# Altium PCB RoBeast_Control_Board_PCB.PcbDoc (part 1 of 3) (continued)
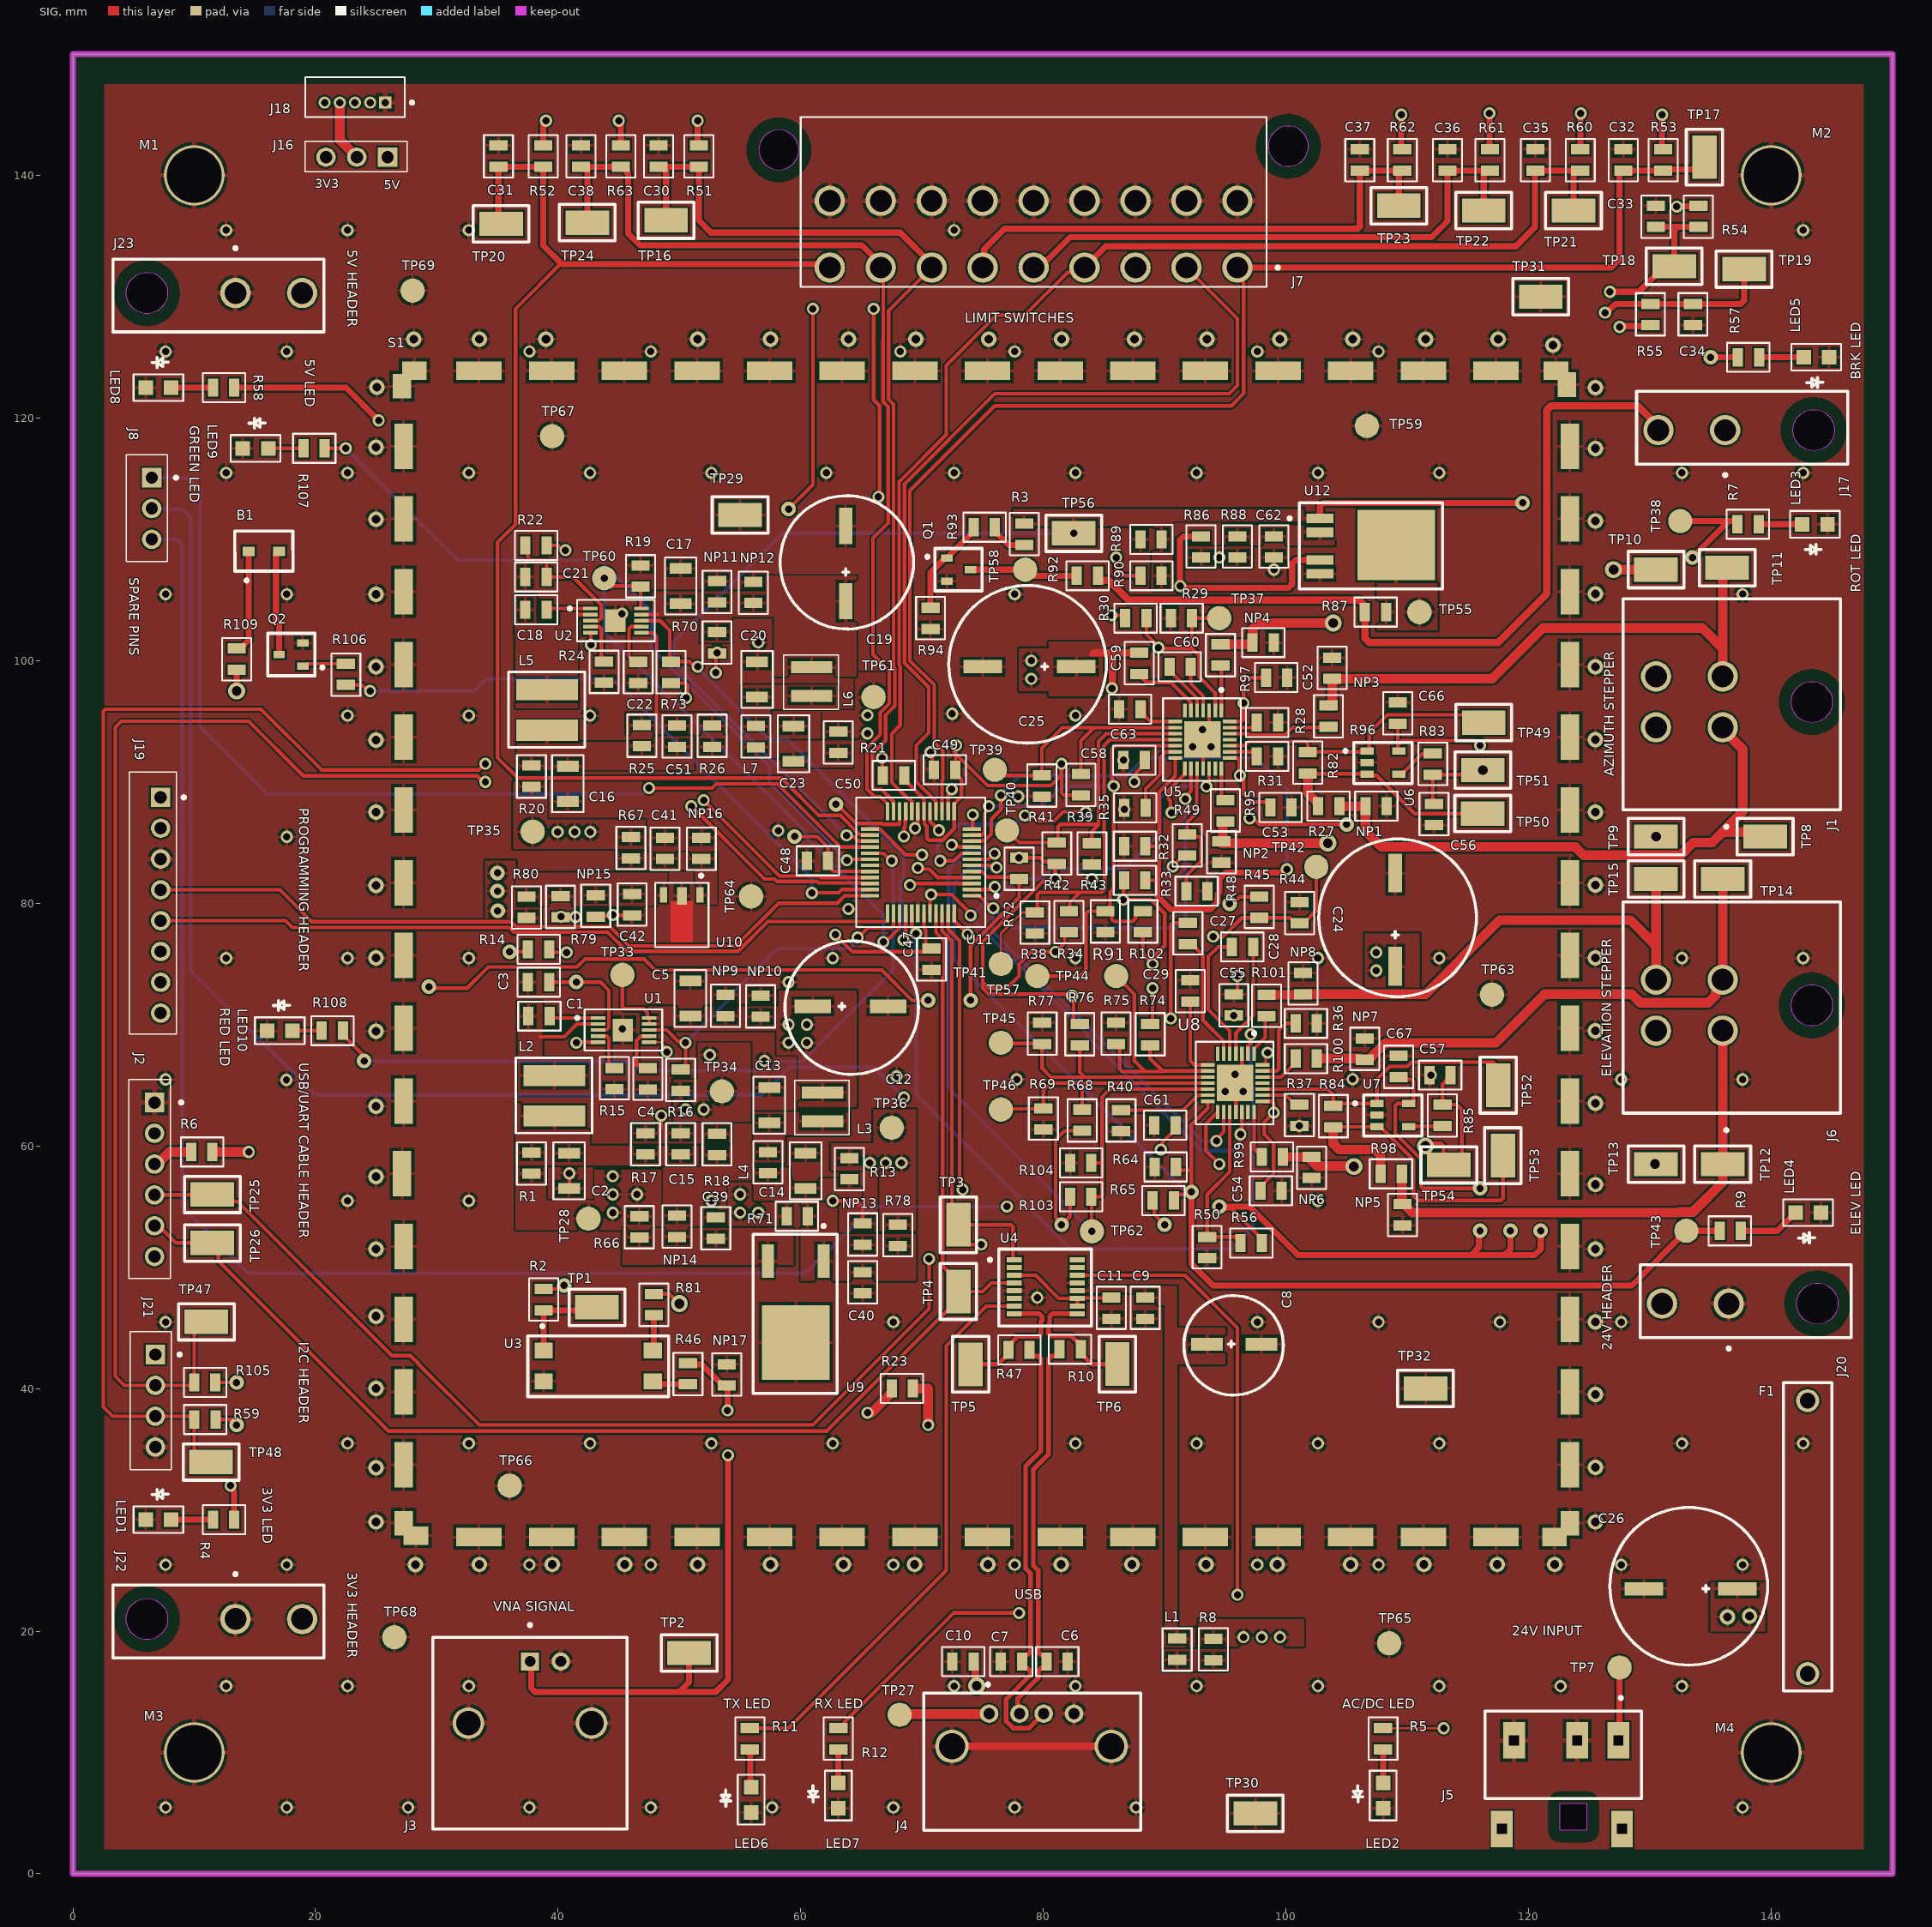
[diagram p0: SIG view]
## Footprints (in the part's own frame and the unit in brackets; to place one, negate y for a bottom-side part, rotate by r counter-clockwise, add the part's x,y. Pads: shape width x height; smd on the part's side, far side on the other; paste and mask are expansions set on the pad) (continued)
  rect 0.3x1.15 smd mask+0.03: 8(0.91,-3.804) 14(3.91,-3.804) 22(3.91,0.696) 28(0.91,0.696)
  rect 0.3x1.15 smd mask+0.04: 9(1.41,-3.804) 10(1.91,-3.804) 11(2.41,-3.804) 12(2.91,-3.804) 13(3.41,-3.804) 23(3.41,0.696) 24(2.91,0.696) 25(2.41,0.696) 26(1.91,0.696) 27(1.41,0.696)
  rect 3x3 smd mask+0.03: 29(2.393,-1.557)
  silkscreen extent -1.83,-4.8 5.8,1.6, body extent -0.17,-4.11 4.98,1.05, height 0.92
AS78L05RTR-E1 [mm]
  rect 0.6x1.3 smd: 1(0,0) 3(3,0)
  rect 0.8x1.475 smd: 2(1.5,0.088)
  SIG region: 0.6,0.5 0.6,3.9 2.4,3.9 2.4,0.5
  silkscreen extent -0.7,-1.71 3.7,4.3, body extent -0.81,-0.52 3.78,3.84, height 1.65
BC846BLT1G [mm]
  rect 0.6x0.95 smd: 1(0,0) 2(1.9,0) 3(0.95,1.95)
  silkscreen extent -0.8,-1.74 2.7,2.9, body extent -0.59,-0.38 2.46,2.26, height 1.12
BTS3011TEATMA1 [mm]
  rect 0.8x2.2 smd mask+0.051: 1(0,0) 2(1.14,0) 4(3.42,0) 5(4.56,0)
  rect 5.8x6.4 smd mask+0.051: 6(2.2,6.28)
  silkscreen extent -1.3,-2.63 5.8,10.1, body extent -1,-0.89 5.5,9.09, height 2.35
CMP-00028-00007-1 [mil]
  rect 60x80 smd: 1(0,40) 18(-5,3730) 36(3775,3735) 52(3785,40)
  rect 80x60 smd: 2(40,0) 19(35,3780) 35(3740,3780) 53(3735,-5)
  rect 60x147.5 smd: 3(0,230) 4(0,466.07) 5(0,702.14) 6(0.07,938.21) 7(-4.93,1174.29) 8(0,1410.36) 9(0,1646.43) 10(0,1882.5) 11(0,2118.57) 12(0,2354.64) 13(0,2590.71) 14(0,2826.79) 15(0,3062.86) 16(0,3298.93) 17(0,3535) 37(3785,3535) 38(3785,3298.93) 39(3785,3062.86) 40(3785,2826.79) 41(3785,2590.71) 42(3785,2354.64) 43(3785,2118.57) 44(3785,1882.5) 45(3785,1646.43) 46(3785,1410.36) 47(3785,1174.29) 48(3785,938.21) 49(3785,702.14) 50(3785,466.07) 51(3785,230)
  rect 147.5x60 smd: 20(245,3780) 21(480.71,3780) 22(716.43,3780) 23(952.14,3780) 24(1187.86,3780) 25(1423.57,3780) 26(1659.29,3780) 27(1895,3780) 28(2130.71,3780) 29(2366.43,3780) 30(2602.14,3780) 31(2837.86,3780) 32(3073.57,3780) 33(3309.28,3780) 34(3545,3780) 54(3545,-5) 55(3309.28,-5) 56(3073.57,-5) 57(2837.86,-5) 58(2602.14,-5) 59(2366.43,-5) 60(2130.71,-5) 61(1895,-5) 62(1659.29,-5) 63(1423.57,-5) 64(1187.86,-5) 65(952.14,-5) 66(716.43,-5) 67(480.71,-5) 68(245,-5)
  body extent -29,-39 3809,3799, height 815
DSPIC33CK64MP505T-I/PT [mm]
  rect 1.5x0.3 smd mask+0.049: 1(0,0) 2(0,-0.5) 3(0,-1) 4(0,-1.5) 5(0,-2) 6(0,-2.5) 7(0,-3) 8(0,-3.5) 9(0,-4) 10(0,-4.5) 11(0,-5) 12(0,-5.5) 25(8.4,-5.5) 26(8.4,-5) 27(8.4,-4.5) 28(8.4,-4) 29(8.4,-3.5) 30(8.4,-3) 31(8.4,-2.5) 32(8.4,-2) 33(8.4,-1.5) 34(8.4,-1) 35(8.4,-0.5) 36(8.4,0)
  rect 0.3x1.5 smd mask+0.049: 13(1.45,-6.95) 14(1.95,-6.95) 15(2.45,-6.95) 16(2.95,-6.95) 17(3.45,-6.95) 18(3.95,-6.95) 19(4.45,-6.95) 20(4.95,-6.95) 21(5.45,-6.95) 22(5.95,-6.95) 23(6.45,-6.95) 24(6.95,-6.95) 37(6.95,1.45) 38(6.45,1.45) 39(5.95,1.45) 40(5.45,1.45) 41(4.95,1.45) 42(4.45,1.45) 43(3.95,1.45) 44(3.45,1.45) 45(2.95,1.45) 46(2.45,1.45) 47(1.95,1.45) 48(1.45,1.45)
  silkscreen extent -2.16,-8.1 9.54,2.59, body extent -0.3,-7.2 8.7,1.79, height 1.2
EDK475M050A9DAA [mm]
  rect 2.6x1.05 smd: 1(0,0) 2(4.5,0)
  silkscreen extent -1.9,-4.2 6.3,4, body extent -0.97,-2.67 5.53,2.84, height 5.69
FT230XS-R [mm]
  rect 0.42x1.25 smd mask+0.051: 1(0,0) 2(0.635,0) 3(1.27,0) 4(1.905,0) 5(2.54,0) 6(3.175,0) 7(3.81,0) 8(4.445,0) 9(4.445,5.2) 10(3.81,5.2) 11(3.175,5.2) 12(2.54,5.2) 13(1.905,5.2) 14(1.27,5.2) 15(0.635,5.2) 16(0,5.2)
  silkscreen extent -0.89,-2.13 5.47,6.35, body extent -0.25,-0.55 4.75,5.65, height 1.76
INA180B3QDBVRQ1 [mm]
  rect 1.1x0.6 smd mask+0.102: 1(0,0) 2(0,-0.95) 3(0,-1.9) 4(2.6,-1.9) 5(2.6,0)
  silkscreen extent -1.93,-2.7 3.7,0.7, body extent -0.07,-2.4 2.73,0.5, height 1.2
LT8606HMSE#PBF [mm]
  rect 0.305x1.2 smd mask+0.045: 1(0,0) 2(0.5,0) 3(1,0) 4(1.5,0) 5(2,0) 6(2,4.211) 7(1.5,4.211) 8(1,4.211) 9(0.5,4.211) 10(0,4.211)
  rect 1.88x1.68 smd mask+0.049: 11(0.998,2.044)
  silkscreen extent -0.7,-1.83 2.7,5.3, body extent -0.5,-0.43 2.5,4.63, height 1.7
LTV-817S-TA [mm]
  rect 1.3x1.5 smd: 1(0,0) 2(2.54,0) 3(2.54,9) 4(0,9)
  silkscreen extent -2.13,-1.3 3.8,10.3, body extent -1.02,-0.33 3.56,9.42, height 4
M4 [mm]
  round 5 hole 4.5: 1(0,0)
  body extent -3.6,-3.4 3.38,3.6, height 4
MSS5121-273MLB [mm]
  rect 5.08x1.74 smd: 1(0,0) 2(0,-3.34)
  silkscreen extent -3.1,-4.8 3.2,1.4, body extent -2.5,-4.2 2.5,0.8, height 2.2
PH1-03-UA [mm]
  rect 1.6x1.6 hole 1.02: 1(0,0)
  round 1.6 hole 1.02: 2(2.54,0) 3(5.08,0)
  silkscreen extent -1.6,-1.3 6.8,1.2, body extent -1.21,-1.3 6.41,1.2, height 8.25
PH1RB-03-UA [mm]
  rect 1.6x1.6 hole 1.02: 1(0,0)
  round 1.6 hole 1.02: 2(2.54,0) 3(5.08,0)
  silkscreen extent -1.9,-2.1 6.9,2.13, body extent -1.15,-9.85 6.48,0.37, height 2.25
PH1RB-04-UA [mm]
  rect 1.6x1.6 hole 1.02: 1(0,0)
  round 1.6 hole 1.02: 2(2.54,0) 3(5.08,0) 4(7.62,0)
  silkscreen extent -1.9,-2.1 9.5,2.13, body extent -1.29,-9.75 8.88,0.47, height 1.25
PH1RB-06-UA [mm]
  rect 1.6x1.6 hole 1.02: 1(0,0)
  round 1.6 hole 1.02: 2(2.54,0) 3(5.08,0) 4(7.62,0) 5(10.16,0) 6(12.7,0)
  silkscreen extent -1.9,-2.1 14.5,2.33, body extent -1.3,-9.96 13.94,0.3, height 1.52
PH1RB-08-UA [mm]
  rect 1.6x1.6 hole 1.02: 1(0,0)
  round 1.6 hole 1.02: 2(2.54,0) 3(5.08,0) 4(7.62,0) 5(10.16,0) 6(12.7,0) 7(15.24,0) 8(17.78,0)
  silkscreen extent -2.08,-2.6 19.5,2.03, body extent -1.32,-9.79 19.01,0.43, height 4.25
RCWCTE [mm]
  rect 3.6x2 smd: 1(0,0)
  silkscreen extent -2.3,-1.5 2.3,1.5, body extent -1.61,-0.78 1.59,0.82, height 2.01
TE034003-1 [mm]
  rect 0.8x1 smd: 1(0,0) 2(0,-2.5)
  silkscreen extent -2.51,-3.66 1.68,1.17, body extent -6.4,-8.09 6.4,6.56, height 9.62
"TEST POINT" [mm]
  round 2 smd mask+0.01: 1(0,0)
"Test Point" [mm]
  round 2 smd mask+0.01: 1(0,0)
UA78M33CKVURG3 [mm]
  rect 2.75x1 smd: 1(0,0) 3(0,-4.58)
  rect 6.15x5.55 smd: 2(6.7,-2.29)
  silkscreen extent -3.03,-5.8 10.9,1.11, body extent -1.08,-5.56 9.03,0.96, height 2.41
UCD1H101MNL1GS [mm]
  rect 3.2x1.1 smd: 1(0,0) 2(7.7,0)
  silkscreen extent -2.5,-6.7 10.5,6.3, body extent -0.75,-4.25 8.55,4.25, height 10.34
UE27AC54100 [mm]
  round 1.524 hole 0.92: 1(0,0) 2(2.5,0) 3(4.5,0) 4(7,0)
  round 2.75 hole 2.15: 5(-3.07,-2.7) 6(10.07,-2.7)
  silkscreen extent -5.4,-9.6 12.5,2.53, body extent -4.5,-13.15 11.3,0.95, height 7.56
WM14505-ND [mm]
  round 2.5 hole 1.8: 1(0,7.3) 2(0,12.8)
  Keep-Out Layer board cut-out: 0,-1.7 -0.651,-1.571 -1.202,-1.202 -1.571,-0.651 -1.7,0 -1.7,0 -1.571,0.651 -1.202,1.202 -0.651,1.571 0,1.7 0,1.7 0.651,1.571 1.202,1.202 1.571,0.651 1.7,0 1.7,0 1.571,-0.651 1.202,-1.202 0.651,-1.571 0,-1.7
  silkscreen extent -3.83,-2.8 3.2,14.6, body extent -2.7,-6.6 3.1,13.34, height 11.4
XAL4030-472MEC [mm]
  rect 0.98x3.4 smd: 1(0,0) 2(2.37,0)
  silkscreen extent -1,-2.3 3.5,2.2, body extent -0.81,-2.01 3.21,2.01, height 0.81

## Part data
B1: library part TE034003-1, "Electro-mechanical Transducer", Manufacturer="DB Unlimited", Supplier Part Number 1=2104-TE034003-1CT-ND, Category="Audio Products", Manufacturer Part Number=TE034003-1, Pricing 1="1=2.3, 10=1.911, 25=1.7652, 50=1.659, 100=1.5568, 250=1.44984, 500=1.33496, 1000=1.29987 (USD)", RoHS=No, Stock 1=5468, Supplier 1=Digikey
C1 C9 C11 C18 C27 C28 C39 C41 C47 C48 C49 C50 C59 C60 C62 C66 C67: library part C0805C104J5RAC7800, "Ceramic Capacitor, Multilayer, Ceramic, 50V, 5% +Tol, 5% -Tol, X7R, 15% TC, 0.1uF, Surface Mount, 0805", Capacitor Type=Ceramic, Manufacturer=KEMET, Manufacturer Part Number=C0805C104J5RACTU, Max Operating Temperature=125°C, Min Operating Temperature=-55°C, Negative Tolerance=5%, Package Shape=Rectangular, Rated DC Voltage (URdc)=50V, Supplier Part Number 1=399-C0805C104J5RAC7800CT-ND, Temperature Characteristics Code=X7R, Capacitance=100nF, Category="Ceramic Capacitors", ComponentLink1Description=http://capacitoredge.kemet.com:80/capedge2/intellispec.jsp?pn=C0805C104J5RACTU&displayPN=C0805C104J5RACTU&src-supplier=IHS+Markit, ComponentLink1URL=http://capacitoredge.kemet.com:80/capedge2/intellispec.jsp?pn=C0805C104J5RACTU&displayPN=C0805C104J5RACTU&src-supplier=IHS+Markit, ComponentLink2Description=https://datasheet.ciiva.com/7842/1732721-7842179.pdf?src-supplier=Element14, ComponentLink2URL=https://datasheet.ciiva.com/7842/1732721-7842179.pdf?src-supplier=Element14, ComponentLink3Description=https://datasheet.ciiva.com/28682/1851736-28682223.pdf?src-supplier=Element14, ComponentLink3URL=https://datasheet.ciiva.com/28682/1851736-28682223.pdf?src-supplier=Element14, ComponentLink4Description=https://datasheet.ciiva.com/7258/1828800-7258413.pdf?src-supplier=Newark, ComponentLink4URL=https://datasheet.ciiva.com/7258/1828800-7258413.pdf?src-supplier=Newark, ComponentLink5Description=https://datasheet.ciiva.com/14589/70095383-14589015.pdf?src-supplier=Allied+Electronics, ComponentLink5URL=https://datasheet.ciiva.com/14589/70095383-14589015.pdf?src-supplier=Allied+Electronics, ComponentLink6Description=https://datasheet.ciiva.com/5417/kem-c1002-x7r-smd-5417352.pdf?src-supplier=Mouser, ComponentLink6URL=https://datasheet.ciiva.com/5417/kem-c1002-x7r-smd-5417352.pdf?src-supplier=Mouser, ComponentLink7Description=https://datasheet.ciiva.com/39122/docfinderpartnumberc0402c102k5ractu-39122924.pdf?src-supplier=Onlinecomponents.com, ComponentLink7URL=https://datasheet.ciiva.com/39122/docfinderpartnumberc0402c102k5ractu-39122924.pdf?src-supplier=Onlinecomponents.com, Dielectric Material=Ceramic, JESD-609 Code=e3, Mount="Surface Mount", Multilayer=Yes, Number of Pins=2, Packaging="Tape and Reel", Positive Tolerance=5%, Pricing 1="1=0.18, 10=0.122, 50=0.0732, 100=0.0576, 500=0.04252, 1000=0.03519 (USD)", Reach SVHC Compliant=Yes, RoHS=Yes, RoHS Compliant=Yes, Size Code=0805, Stock 1=605061, Supplier 1=Digikey, Terminal Finish=Nickel, Termination=Wraparound
C2 C16: library part C3216X5R1V226M160AC, "Ceramic Capacitor, Multilayer, Ceramic, 35V, 20% +Tol, 20% -Tol, X5R, 15% TC, 22uF, Surface Mount, 1206", Capacitor Type=Ceramic, Manufacturer=TDK, Max Operating Temperature=85°C, Min Operating Temperature=-55°C, Negative Tolerance=20%, Package Shape=Rectangular, Package Style=SMTMeter, Rated DC Voltage (URdc)=35V, Supplier Part Number 1=445-8045-1-ND, Temperature Characteristics Code=X5R, Capacitance=22uF, Category="Ceramic Capacitors", ComponentLink1Description=https://datasheet.ciiva.com:443/pdfs/VipMasterIC/IC/TDKC/TDKC-S-A0008796792/TDKC-S-A0008796792-1.pdf?src-supplier=IHS+Markit, ComponentLink1URL=https://datasheet.ciiva.com:443/pdfs/VipMasterIC/IC/TDKC/TDKC-S-A0008796792/TDKC-S-A0008796792-1.pdf?src-supplier=IHS+Markit, ComponentLink2Description=https://datasheet.ciiva.com/24216/c3216x5r1v226m160ac-265035-24216573.pdf?src-supplier=Mouser, ComponentLink2URL=https://datasheet.ciiva.com/24216/c3216x5r1v226m160ac-265035-24216573.pdf?src-supplier=Mouser, ComponentLink3Description=https://datasheet.ciiva.com/23803/1796654-23803046.pdf?src-supplier=Newark, ComponentLink3URL=https://datasheet.ciiva.com/23803/1796654-23803046.pdf?src-supplier=Newark, ComponentLink4Description=https://datasheet.ciiva.com/22725/1913358-22725591.pdf?src-supplier=Element14, ComponentLink4URL=https://datasheet.ciiva.com/22725/1913358-22725591.pdf?src-supplier=Element14, ComponentLink5Description=https://datasheet.ciiva.com/22725/1913358-22725592.pdf?src-supplier=Element14, ComponentLink5URL=https://datasheet.ciiva.com/22725/1913358-22725592.pdf?src-supplier=Element14, ComponentLink6Description=https://datasheet.ciiva.com/6259/tdkmlcccaprange-6259231.pdf?src-supplier=Digikey, ComponentLink6URL=https://datasheet.ciiva.com/6259/tdkmlcccaprange-6259231.pdf?src-supplier=Digikey, Dielectric Material=Ceramic, Height=1.6mm, JESD-609 Code=e3, Length=3.2mm, Manufacturer Part Number=C3216X5R1V226M160AC, Mount="Surface Mount", Multilayer=Yes, Number of Pins=2, Packaging="Tape and Reel", Positive Tolerance=20%, Pricing 1="1=0.97, 10=0.7, 50=0.6118, 100=0.4985, 500=0.40788, 1000=0.35123 (USD)", Reach SVHC Compliant=Yes, RoHS=Yes, RoHS Compliant=Yes, Size Code=1206, Stock 1=338205, Supplier 1=Digikey, Terminal Finish=Nickel, Termination=Wraparound, Width=1.6mm
C3 C21 C30 C31 C32 C33 C34 C35 C36 C37 C38 C52 C53 C54 C55 C58 C61: library part CC0805JKX7R9BB105, "Ceramic Capacitor, Multilayer, Ceramic, 50V, 5% +Tol, 5% -Tol, X7R, 15% TC, 1uF, Surface Mount, 0805", Manufacturer=Yageo, Supplier Part Number 1=311-3498-1-ND, Category="Ceramic Capacitors", ComponentLink1Description=https://datasheet.ciiva.com:443/pdfs/VipMasterIC/IC/YAGO/YAGO-S-A0003557223/YAGO-S-A0003557223-1.pdf?src-supplier=IHS+Markit, ComponentLink1URL=https://datasheet.ciiva.com:443/pdfs/VipMasterIC/IC/YAGO/YAGO-S-A0003557223/YAGO-S-A0003557223-1.pdf?src-supplier=IHS+Markit, ComponentLink2Description=http://www.yageo.com/documents/recent/UPY-GPHC_X7R_6.3V-to-50V_18.pdf?src-supplier=Digikey, ComponentLink2URL=http://www.yageo.com/documents/recent/UPY-GPHC_X7R_6.3V-to-50V_18.pdf?src-supplier=Digikey, Manufacturer Part Number=CC0805JKX7R9BB105, Pricing 1="1=0.32, 10=0.207, 50=0.1454, 100=0.1174, 500=0.08724, 1000=0.07633 (USD)", RoHS=Yes, Stock 1=50247, Supplier 1=Digikey
C4 C10 C22: library part C0805C103J5RAC7210, "Ceramic Capacitor, Multilayer, Ceramic, 50V, 5% +Tol, 5% -Tol, X7R, 15% TC, 0.01uF, Surface Mount, 0805", Capacitor Type=Ceramic, Manufacturer=KEMET, Max Operating Temperature=125°C, Min Operating Temperature=-55°C, Negative Tolerance=5%, Package Shape=Rectangular, Rated DC Voltage (URdc)=50V, Supplier Part Number 1=399-17616-1-ND, Temperature Characteristics Code=X7R, Capacitance=10nF, Category="Ceramic Capacitors", ComponentLink1Description=https://datasheet.ciiva.com:443/pdfs/VipMasterIC/IC/KEME/KEME-S-A0008991654/KEME-S-A0008991654-1.pdf?src-supplier=IHS+Markit, ComponentLink1URL=https://datasheet.ciiva.com:443/pdfs/VipMasterIC/IC/KEME/KEME-S-A0008991654/KEME-S-A0008991654-1.pdf?src-supplier=IHS+Markit, ComponentLink2Description=http://components.arrow.com/part/dataview/3450688S9650973N7429?src-supplier=Arrow+Electronics, ComponentLink2URL=http://components.arrow.com/part/dataview/3450688S9650973N7429?src-supplier=Arrow+Electronics, ComponentLink3Description=http://www.mouser.com/ds/2/212/KEM_C1002_X7R_SMD-1102033.pdf?src-supplier=Mouser, ComponentLink3URL=http://www.mouser.com/ds/2/212/KEM_C1002_X7R_SMD-1102033.pdf?src-supplier=Mouser, ComponentLink4Description=https://api.kemet.com/component-edge/download/datasheet/C0805C103J5RAC7210.pdf?src-supplier=Digikey, ComponentLink4URL=https://api.kemet.com/component-edge/download/datasheet/C0805C103J5RAC7210.pdf?src-supplier=Digikey, Dielectric Material=Ceramic, JESD-609 Code=e3, Manufacturer Part Number=C0805C103J5RAC7210, Mount="Surface Mount", Multilayer=Yes, Number of Pins=2, Packaging="Tape and Reel", Positive Tolerance=5%, Pricing 1="1=0.1, 10=0.059, 50=0.034, 100=0.0263, 500=0.0198, 1000=0.01555, 2500=0.01414, 5000=0.01301 (USD)", Reach SVHC Compliant=Yes, RoHS=Yes, RoHS Compliant=Yes, Size Code=0805, Stock 1=247971, Supplier 1=Digikey, Terminal Finish=Nickel, Termination=Wraparound
C5 C13 C14 C17 C20 C23: library part C1206C475K5RACAUTO, "Ceramic Capacitor, Multilayer, Ceramic, 50V, 10% +Tol, 10% -Tol, X7R, 15% TC, 4.7uF, Surface Mount, 1206", Manufacturer=KEMET, Supplier Part Number=399-C1206C475K5RACAUTOCT-ND, Category="Ceramic Capacitors", ComponentLink1Description=https://datasheet.ciiva.com:443/pdfs/VipMasterIC/IC/KEME/KEME-S-A0009891634/KEME-S-A0009891634-1.pdf?src-supplier=IHS+Markit, ComponentLink1URL=https://datasheet.ciiva.com:443/pdfs/VipMasterIC/IC/KEME/KEME-S-A0009891634/KEME-S-A0009891634-1.pdf?src-supplier=IHS+Markit, ComponentLink2Description=http://www.farnell.com/datasheets/2818560.pdf?src-supplier=Newark, ComponentLink2URL=http://www.farnell.com/datasheets/2818560.pdf?src-supplier=Newark, Manufacturer Part Number=C1206C475K5RACAUTO, Pricing="1=0.43, 10=0.285, 50=0.2104, 100=0.1713, 500=0.13522, 1000=0.11418 (USD)", RoHS=Yes, Stock=66, Supplier=Digikey
C6 C7 C15 C51: library part C0805C470J5GAC7210, "Ceramic Capacitor, Multilayer, Ceramic, 50V, 5% +Tol, 5% -Tol, C0G, 30ppm/Cel TC, 0.000047uF, Surface Mount, 0805", Capacitor Type=Ceramic, Manufacturer=KEMET, Supplier Part Number 1=399-C0805C470J5GAC7210CT-ND, Category="Ceramic Capacitors", ComponentLink1Description=https://datasheet.ciiva.com:443/pdfs/VipMasterIC/IC/KEME/KEME-S-A0005605168/KEME-S-A0005605168-1.pdf?src-supplier=IHS+Markit, ComponentLink1URL=https://datasheet.ciiva.com:443/pdfs/VipMasterIC/IC/KEME/KEME-S-A0005605168/KEME-S-A0005605168-1.pdf?src-supplier=IHS+Markit, ComponentLink2Description=https://datasheet.ciiva.com/11646/kem-c1003-c0g-smd-11646575.pdf?src-supplier=Avnet, ComponentLink2URL=https://datasheet.ciiva.com/11646/kem-c1003-c0g-smd-11646575.pdf?src-supplier=Avnet, Dielectric Material=Ceramic, JESD-609 Code=e3, Manufacturer Part Number=C0805C470J5GAC7210, Number of Pins=2, Pricing 1="1=0.1, 10=0.054, 50=0.031, 100=0.024, 500=0.01802, 1000=0.01417, 2500=0.01288, 5000=0.01185 (USD)", Reach SVHC Compliant=Yes, RoHS=Yes, RoHS Compliant=Yes, Stock 1=22724, Supplier 1=Digikey, Terminal Finish=Nickel
C8: library part EDK475M050A9DAA, "Aluminum Electrolytic Capacitor, Polarized, Aluminum (wet), 50V, 20% +Tol, 20% -Tol, 4.7uF, Surface Mount, 2121", Capacitor Type=Aluminium, Leakage Current=3uA, Manufacturer=KEMET, Max Operating Temperature=85°C, Min Operating Temperature=-40°C, Negative Tolerance=20%, Package Shape=Cylindrical, Package Style=SMTMeter, Rated DC Voltage (URdc)=50V, Ripple Current=23mA, Supplier Part Number 1=399-6687-1-ND, Capacitance=4.7uF, Category="Aluminum Electrolytic Capacitors", ComponentLink1Description=https://datasheet.ciiva.com:443/pdfs/VipMasterIC/IC/KEME/KEME-S-A0008611145/KEME-S-A0008611145-1.pdf?src-supplier=IHS+Markit, ComponentLink1URL=https://datasheet.ciiva.com:443/pdfs/VipMasterIC/IC/KEME/KEME-S-A0008611145/KEME-S-A0008611145-1.pdf?src-supplier=IHS+Markit, ComponentLink2Description=http://www.mouser.com/ds/2/212/KEM_A4001_EDK-535350.pdf?src-supplier=Mouser, ComponentLink2URL=http://www.mouser.com/ds/2/212/KEM_A4001_EDK-535350.pdf?src-supplier=Mouser, ComponentLink3Description=https://search.kemet.com/component-edge/download/datasheet/EDK475M050A9DAA.pdf?src-supplier=Digikey, ComponentLink3URL=https://search.kemet.com/component-edge/download/datasheet/EDK475M050A9DAA.pdf?src-supplier=Digikey, Dielectric Material=Aluminium, Height=5.4mm, Length=6.5mm, Manufacturer Part Number=EDK475M050A9DAA, Mount="Surface Mount", Number of Pins=2, Packaging="Tape and Reel", Polarity=Polarized, Positive Tolerance=20%, Pricing 1="1=0.7, 10=0.493, 50=0.4154, 100=0.3383, 500=0.2819 (USD)", Reach SVHC Compliant=Yes, RoHS=Yes, RoHS Compliant=Yes, Size Code=2621, Stock 1=9685, Supplier 1=Digikey, Tan Delta=0.12, Termination=Flat, Width=5.3mm
C12 C19: library part 63SXV33M, "Aluminum Electrolytic Capacitor, Polarized, Aluminum (solid Polymer), 63V, 20% +Tol, 20% -Tol, 33uF, Surface Mount, 3333", Manufacturer=Panasonic, Supplier Part Number 1=P18934CT-ND, Category="Polymer Capacitors", ComponentLink1Description=https://datasheet.ciiva.com:443/pdfs/VipMasterIC/IC/PANA/PANA-S-A0009016952/PANA-S-A0009016952-1.pdf?src-supplier=IHS+Markit, ComponentLink1URL=https://datasheet.ciiva.com:443/pdfs/VipMasterIC/IC/PANA/PANA-S-A0009016952/PANA-S-A0009016952-1.pdf?src-supplier=IHS+Markit, ComponentLink2Description=https://media.digikey.com/pdf/Data%20Sheets/Panasonic%20Capacitors%20PDFs/SXE,SXV_Series_63V,80V_Line_Ext.pdf?src-supplier=Digikey, ComponentLink2URL=https://media.digikey.com/pdf/Data%20Sheets/Panasonic%20Capacitors%20PDFs/SXE,SXV_Series_63V,80V_Line_Ext.pdf?src-supplier=Digikey, ComponentLink3Description=http://industrial.panasonic.com/cdbs/www-data/pdf/AAB8000/AAB8000C259.pdf?src-supplier=Newark, ComponentLink3URL=http://industrial.panasonic.com/cdbs/www-data/pdf/AAB8000/AAB8000C259.pdf?src-supplier=Newark, ComponentLink4Description=https://media.digikey.com/pdf/Data%20Sheets/Panasonic%20Capacitors%20PDFs/SXE,SXV_Series_63V,80V_Line_Ext.pdf?src-supplier=Verical, ComponentLink4URL=https://media.digikey.com/pdf/Data%20Sheets/Panasonic%20Capacitors%20PDFs/SXE,SXV_Series_63V,80V_Line_Ext.pdf?src-supplier=Verical, ComponentLink5Description=https://datasheet.octopart.com/63SXV33M-Panasonic-datasheet-78862147.pdf?src-supplier=Element14, ComponentLink5URL=https://datasheet.octopart.com/63SXV33M-Panasonic-datasheet-78862147.pdf?src-supplier=Element14, ComponentLink6Description=https://industrial.panasonic.com/cdbs/www-data/pdf/AAB8000/AAB8000C259.pdf?src-supplier=Digikey, ComponentLink6URL=https://industrial.panasonic.com/cdbs/www-data/pdf/AAB8000/AAB8000C259.pdf?src-supplier=Digikey, ComponentLink7Description=http://industrial.panasonic.com/cdbs/www-data/pdf/AAB8000/AAB8000C259.pdf?src-supplier=Farnell, ComponentLink7URL=http://industrial.panasonic.com/cdbs/www-data/pdf/AAB8000/AAB8000C259.pdf?src-supplier=Farnell, ComponentLink8Description=https://media.digikey.com/pdf/Data%20Sheets/Panasonic%20Capacitors%20PDFs/SXE,SXV_Series_63V,80V_Line_Ext.pdf?src-supplier=Mouser, ComponentLink8URL=https://media.digikey.com/pdf/Data%20Sheets/Panasonic%20Capacitors%20PDFs/SXE,SXV_Series_63V,80V_Line_Ext.pdf?src-supplier=Mouser, ComponentLink9Description=https://media.digikey.com/pdf/Data%20Sheets/Panasonic%20Capacitors%20PDFs/SXE,SXV_Series_63V,80V_Line_Ext.pdf?src-supplier=Onlinecomponents.com, ComponentLink9URL=https://media.digikey.com/pdf/Data%20Sheets/Panasonic%20Capacitors%20PDFs/SXE,SXV_Series_63V,80V_Line_Ext.pdf?src-supplier=Onlinecomponents.com, ComponentLink10Description=https://media.digikey.com/pdf/Data%20Sheets/Panasonic%20Capacitors%20PDFs/SXE,SXV_Series_63V,80V_Line_Ext.pdf?src-supplier=Arrow+Electronics, ComponentLink10URL=https://media.digikey.com/pdf/Data%20Sheets/Panasonic%20Capacitors%20PDFs/SXE,SXV_Series_63V,80V_Line_Ext.pdf?src-supplier=Arrow+Electronics, ComponentLink11Description=https://datasheet.octopart.com/63SXV33M-Panasonic-datasheet-98225043.pdf?src-supplier=Farnell, ComponentLink11URL=https://datasheet.octopart.com/63SXV33M-Panasonic-datasheet-98225043.pdf?src-supplier=Farnell, ComponentLink12Description=https://media.digikey.com/pdf/Data%20Sheets/Panasonic%20Capacitors%20PDFs/SXE,SXV_Series_63V,80V_Line_Ext.pdf?src-supplier=Conrad, ComponentLink12URL=https://media.digikey.com/pdf/Data%20Sheets/Panasonic%20Capacitors%20PDFs/SXE,SXV_Series_63V,80V_Line_Ext.pdf?src-supplier=Conrad, ComponentLink13Description=https://media.digikey.com/pdf/Data%20Sheets/Panasonic%20Capacitors%20PDFs/SXE,SXV_Series_63V,80V_Line_Ext.pdf?src-supplier=TTI, ComponentLink13URL=https://media.digikey.com/pdf/Data%20Sheets/Panasonic%20Capacitors%20PDFs/SXE,SXV_Series_63V,80V_Line_Ext.pdf?src-supplier=TTI, ComponentLink14Description=https://media.digikey.com/pdf/Data%20Sheets/Panasonic%20Capacitors%20PDFs/SXE,SXV_Series_63V,80V_Line_Ext.pdf?src-supplier=Electro+Sonic, ComponentLink14URL=https://media.digikey.com/pdf/Data%20Sheets/Panasonic%20Capacitors%20PDFs/SXE,SXV_Series_63V,80V_Line_Ext.pdf?src-supplier=Electro+Sonic, ComponentLink15Description=https://media.digikey.com/pdf/Data%20Sheets/Panasonic%20Capacitors%20PDFs/SXE,SXV_Series_63V,80V_Line_Ext.pdf?src-supplier=NAC+Semi, ComponentLink15URL=https://media.digikey.com/pdf/Data%20Sheets/Panasonic%20Capacitors%20PDFs/SXE,SXV_Series_63V,80V_Line_Ext.pdf?src-supplier=NAC+Semi, ComponentLink16Description=https://datasheet.octopart.com/63SXV33M-Panasonic-datasheet-136807604.pdf?src-supplier=Master+Electronics, ComponentLink16URL=https://datasheet.octopart.com/63SXV33M-Panasonic-datasheet-136807604.pdf?src-supplier=Master+Electronics, Manufacturer Part Number=63SXV33M, Pricing 1="1=3.04, 10=2.334, 50=2.144, 100=1.7777 (USD)", RoHS=Yes, Stock 1=2602, Supplier 1=Digikey
C24: library part UCD1H101MNL1GS, "Aluminum Electrolytic Capacitor, Polarized, Aluminum (wet), 50V, 20% +Tol, 20% -Tol, 100uF, Surface Mount, 3333", Capacitor Type=Aluminium, Leakage Current=50uA, Manufacturer=Nichicon, Max Operating Temperature=105°C, Min Operating Temperature=-55°C, Negative Tolerance=20%, Package Shape=Cylindrical, Package Style=SMTMeter, Rated DC Voltage (URdc)=50V, Ripple Current=175mA, Supplier Part Number 1=493-6388-1-ND, Capacitance=100uF, Category="Aluminum Electrolytic Capacitors", ComponentLink1Description=https://datasheet.ciiva.com:443/pdfs/VipMasterIC/IC/NICH/NICH-S-A0003527725/NICH-S-A0003527725-1.pdf?src-supplier=IHS+Markit, ComponentLink1URL=https://datasheet.ciiva.com:443/pdfs/VipMasterIC/IC/NICH/NICH-S-A0003527725/NICH-S-A0003527725-1.pdf?src-supplier=IHS+Markit, ComponentLink2Description=https://datasheet.ciiva.com/11776/0900766b80ebdadd-11776792.pdf?src-supplier=Rs, ComponentLink2URL=https://datasheet.ciiva.com/11776/0900766b80ebdadd-11776792.pdf?src-supplier=Rs, ComponentLink3Description=https://datasheet.ciiva.com/5360/e-cd-22158-5360840.pdf?src-supplier=Mouser, ComponentLink3URL=https://datasheet.ciiva.com/5360/e-cd-22158-5360840.pdf?src-supplier=Mouser, ComponentLink4Description=https://datasheet.ciiva.com/6301/e-cd-6301305.pdf?src-supplier=Digikey, ComponentLink4URL=https://datasheet.ciiva.com/6301/e-cd-6301305.pdf?src-supplier=Digikey, Dielectric Material=Aluminium, Height=10mm, JESD-609 Code=e6, Length=8.9mm, Manufacturer Part Number=UCD1H101MNL1GS, Mount="Surface Mount", Number of Pins=2, Packaging="Tape and Reel", Polarity=Polarized, Positive Tolerance=20%, Pricing 1="1=0.64, 10=0.45, 50=0.379, 100=0.3086 (USD)", Reach SVHC Compliant=No, RoHS=Yes, RoHS Compliant=Yes, Size Code=3333, Stock 1=10305, Supplier 1=Digikey, Tan Delta=0.1, Terminal Finish=Copper, Termination=Flat, Width=8.3mm
C25 C26: library part UCD1H101MNL1GS, "Aluminum Electrolytic Capacitor, Polarized, Aluminum (wet), 50V, 20% +Tol, 20% -Tol, 100uF, Surface Mount, 3333", Capacitance=100uF, Capacitor Type=Aluminium, Leakage Current=50uA, Manufacturer=Nichicon, Max Operating Temperature=105°C, Min Operating Temperature=-55°C, Negative Tolerance=20%, Package Shape=Cylindrical, Package Style=SMTMeter, Rated DC Voltage (URdc)=50V, Ripple Current=175mA, Supplier Part Number 1=493-6388-1-ND, Category="Aluminum Electrolytic Capacitors", ComponentLink1Description=https://datasheet.ciiva.com:443/pdfs/VipMasterIC/IC/NICH/NICH-S-A0003527725/NICH-S-A0003527725-1.pdf?src-supplier=IHS+Markit, ComponentLink1URL=https://datasheet.ciiva.com:443/pdfs/VipMasterIC/IC/NICH/NICH-S-A0003527725/NICH-S-A0003527725-1.pdf?src-supplier=IHS+Markit, ComponentLink2Description=https://datasheet.ciiva.com/11776/0900766b80ebdadd-11776792.pdf?src-supplier=Rs, ComponentLink2URL=https://datasheet.ciiva.com/11776/0900766b80ebdadd-11776792.pdf?src-supplier=Rs, ComponentLink3Description=https://datasheet.ciiva.com/5360/e-cd-22158-5360840.pdf?src-supplier=Mouser, ComponentLink3URL=https://datasheet.ciiva.com/5360/e-cd-22158-5360840.pdf?src-supplier=Mouser, ComponentLink4Description=https://datasheet.ciiva.com/6301/e-cd-6301305.pdf?src-supplier=Digikey, ComponentLink4URL=https://datasheet.ciiva.com/6301/e-cd-6301305.pdf?src-supplier=Digikey, Dielectric Material=Aluminium, Height=10mm, JESD-609 Code=e6, Length=8.9mm, Manufacturer Part Number=UCD1H101MNL1GS, Mount="Surface Mount", Number of Pins=2, Packaging="Tape and Reel", Polarity=Polarized, Positive Tolerance=20%, Pricing 1="1=0.64, 10=0.45, 50=0.379, 100=0.3086 (USD)", Reach SVHC Compliant=No, RoHS=Yes, RoHS Compliant=Yes, Size Code=3333, Stock 1=10305, Supplier 1=Digikey, Tan Delta=0.1, Terminal Finish=Copper, Termination=Flat, Width=8.3mm
C29 C63: library part C0805C224J1RECAUTO, "Ceramic Capacitor, Multilayer, Ceramic, 100V, 5% +Tol, 5% -Tol, X7R, 15% TC, 0.22uF, Surface Mount, 0805", Capacitor Type=Ceramic, Manufacturer=KEMET, Supplier Part Number 1=399-C0805C224J1RECAUTOCT-ND, Category="Ceramic Capacitors", ComponentLink1Description=https://datasheet.ciiva.com:443/pdfs/VipMasterIC/IC/KEME/KEME-S-A0008958450/KEME-S-A0008958450-1.pdf?src-supplier=IHS+Markit, ComponentLink1URL=https://datasheet.ciiva.com:443/pdfs/VipMasterIC/IC/KEME/KEME-S-A0008958450/KEME-S-A0008958450-1.pdf?src-supplier=IHS+Markit, ComponentLink2Description=https://api.kemet.com/component-edge/download/datasheet/C0805C224J1RECAUTO.pdf?src-supplier=Digikey, ComponentLink2URL=https://api.kemet.com/component-edge/download/datasheet/C0805C224J1RECAUTO.pdf?src-supplier=Digikey, Dielectric Material=Ceramic, Manufacturer Part Number=C0805C224J1RECAUTO, Number of Pins=2, Pricing 1="1=0.32, 10=0.207, 50=0.145, 100=0.1171, 500=0.08702, 1000=0.07614 (USD)", Reach SVHC Compliant=Yes, RoHS=Yes, RoHS Compliant=Yes, Stock 1=3363, Supplier 1=Digikey